# Allegro board SG2042_EVB_V1_1.brd (continued)
## Routing (per net, layer and track width the routed paths; a pad name or vN(x,y) marks a point on that pad's centre or on a via; arc(x,y) is an arc through that point) (continued)
DDR1_BG1: length 52.2
  TOP w0.16: J2.207 196.52,116.77 arc(196.21,116.71) 195.95,116.54 195.73,116.31 arc(195.47,116.14) 195.16,116.08 194.68,116.08 194.5,116.26 186.8,116.26 185.63,117.42 185.41,117.42 184.87,116.89 184.64,116.89 184.36,117.17 184.36,117.4 184.9,117.93 184.9,118.16 184.61,118.44 184.39,118.44 183.85,117.91 183.62,117.91 183.34,118.19 183.34,118.42 183.88,118.95 183.88,119.18 183.6,119.46 183.37,119.46 182.83,118.92 182.6,118.92 182.32,119.21 182.32,119.43 182.86,119.97 182.86,120.2 182.58,120.48 182.35,120.48 181.81,119.94 181.59,119.94 181.3,120.23 181.3,120.45 181.84,120.99 181.84,121.22 181.56,121.5 181.33,121.5 180.79,120.96 180.57,120.96 180.29,121.25 180.29,121.47 180.82,122.01 180.82,122.24 180.54,122.52 180.32,122.52 179.78,121.98 179.55,121.98 179.27,122.27 179.27,122.49 179.81,123.03 179.81,123.26 179.52,123.54 179.3,123.54 178.76,123 178.53,123 178.25,123.28 178.25,123.51 178.79,124.05 178.79,124.27 178.51,124.56 178.28,124.56 177.74,124.02 177.51,124.02 177.23,124.3 177.23,124.53 177.77,125.07 177.77,125.29 177.14,125.93 166.2,125.93 165.48,126.65 U1.H56
DDR1_CAL_0: length 3
  TOP w0.16: U1.U48 v1(157.97,118.15)
  BOTTOM w0.102: T16.1 158.71,118.89 R2383.1 158.47,118.65 v1(157.97,118.15)
DDR1_CID0: length 60.1
  TOP w0.16: U1.P50 v1(159.97,120.15)
  ART10 w0.089: v1(159.97,120.15) 160.57,119.55 164.36,119.55 165.23,120.42 166.91,120.42 167.98,121.49
  ART10 w0.168: 167.98,121.49 173.66,121.49 181.44,113.71 181.44,102.2 185.98,97.66 185.98,94.31 194.12,86.17 J2.93
DDR1_CID1: length 62.8
  TOP w0.16: U1.R51 v1(160.97,120.15)
  ART10 w0.089: 167.98,121.99 166.77,120.79 165.19,120.79 164.14,119.74 161.38,119.74 v1(160.97,120.15)
  ART10 w0.168: 167.98,121.99 173.87,121.99 181.94,113.92 181.94,102.41 186.49,97.87 186.49,94.9 194.36,87.02 194.99,87.02 arc(195.31,86.96) 195.58,86.78 195.94,86.42 arc(196.21,86.24) 196.53,86.17 J2.237
DDR1_CKE0: length 55.6
  TOP w0.16: U1.G56 166.33,127.65 166.77,127.21 179.13,127.21 179.4,126.94 179.4,126.71 178.93,126.25 178.93,126.02 179.22,125.74 179.44,125.74 180.47,126.77 180.7,126.77 180.98,126.48 180.98,126.26 179.95,125.23 179.95,125 180.23,124.72 180.46,124.72 181.49,125.75 181.72,125.75 182,125.46 182,125.24 180.97,124.21 180.97,123.98 181.25,123.7 181.48,123.7 182.51,124.73 182.73,124.73 183.02,124.44 183.02,124.22 181.99,123.19 181.99,122.96 182.27,122.68 182.5,122.68 183.53,123.71 183.75,123.71 184.04,123.43 184.04,123.2 183.01,122.17 183.01,121.95 183.29,121.66 183.52,121.66 184.54,122.69 184.77,122.69 185.05,122.41 185.05,122.18 184.03,121.15 184.03,120.93 184.31,120.64 184.53,120.64 185.56,121.67 185.79,121.67 186.07,121.39 186.07,121.16 185.04,120.13 185.04,119.91 185.33,119.63 185.55,119.63 186.58,120.65 186.81,120.65 187.3,120.16 193.53,120.16 194.37,119.32 J2.60
DDR1_CKE1: length 51.2
  TOP w0.16: U1.F54 v1(163.97,128.15)
  ART05 w0.168: v1(163.97,128.15) 175.31,128.15 184.14,119.32 185.09,119.32 185.26,119.49 185.26,120.33 185.43,120.5 185.85,120.5 186.01,120.33 186.01,119.49 186.18,119.32 186.6,119.32 186.77,119.49 186.77,120.33 186.94,120.5 187.35,120.5 187.52,120.33 187.52,119.49 187.69,119.32 188.11,119.32 188.28,119.49 188.28,120.33 188.44,120.5 188.86,120.5 189.03,120.33 189.03,119.49 189.2,119.32 189.62,119.32 189.79,119.49 189.79,120.33 189.95,120.5 190.37,120.5 190.54,120.33 190.54,119.49 190.71,119.32 191.13,119.32 191.29,119.49 191.29,120.33 191.46,120.5 191.88,120.5 192.05,120.33 192.05,119.49 192.22,119.32 192.64,119.32 192.8,119.49 192.8,120.33 192.97,120.5 193.39,120.5 193.56,120.33 193.56,119.49 193.73,119.32 194.99,119.32 arc(195.31,119.39) 195.58,119.57 195.94,119.93 arc(196.21,120.11) 196.54,120.17 J2.203
DDR1_CLK0_N: length 53.7
  TOP w0.14: U1.J52 v1(161.97,126.15)
  ART10 w0.109: 167.98,129.04 167.95,129.04 167.93,129.06 167.62,129.06 165.1,126.54 161.58,126.54 161.47,126.42 161.47,126.27 161.59,126.15 v1(161.97,126.15)
  ART10 w0.145: J2.75 195.5,106.86 arc(195.6,106.97) 195.59,107.12 195.58,107.13 arc(195.47,107.25) 195.32,107.29 194.35,107.29 193.53,108.12 193.53,110.01 192.91,110.63 192.91,112.91 192.04,113.78 192.04,114.2 192.32,114.48 192.32,114.68 191.91,115.09 191.71,115.09 191.43,114.82 191.01,114.82 190.44,115.38 190.44,115.8 190.72,116.08 190.72,116.29 190.31,116.7 190.1,116.7 189.83,116.42 189.4,116.42 188.84,116.98 188.84,117.41 189.12,117.68 189.12,117.89 188.71,118.3 188.5,118.3 188.22,118.02 187.8,118.02 187.24,118.59 187.24,119.01 187.51,119.29 187.51,119.49 187.1,119.9 186.9,119.9 186.62,119.63 186.2,119.63 176.78,129.04 167.98,129.04
DDR1_CLK0_P: length 53.7
  TOP w0.14: U1.J51 v1(160.97,126.15)
  ART10 w0.109: v1(160.97,126.15) 161.25,126.43 161.25,126.51 161.5,126.75 165.02,126.75 167.54,129.27 167.93,129.27 167.95,129.3 167.98,129.3
  ART10 w0.145: J2.74 195.67,107.55 arc(195.62,107.55) 195.57,107.55 194.46,107.55 193.79,108.23 193.79,110.12 193.17,110.74 193.17,113.02 192.31,113.89 192.31,114.09 192.59,114.37 192.59,114.79 192.02,115.36 191.6,115.36 191.32,115.08 191.12,115.08 190.71,115.49 190.71,115.69 190.98,115.97 190.98,116.4 190.42,116.96 190,116.96 189.72,116.68 189.51,116.68 189.1,117.09 189.1,117.3 189.38,117.58 189.38,118 188.82,118.56 188.39,118.56 188.11,118.29 187.91,118.29 187.5,118.7 187.5,118.9 187.78,119.18 187.78,119.6 187.21,120.17 186.79,120.17 186.51,119.89 186.31,119.89 176.89,129.3 167.98,129.3
DDR1_CLK1_N: length 54.7
  TOP w0.14: U1.K51 v1(160.97,125.15)
  ART10 w0.109: 167.98,127.9 167.95,127.9 167.93,127.93 167.62,127.93 165.24,125.54 160.58,125.54 160.47,125.43 160.47,125.26 160.58,125.15 v1(160.97,125.15)
  ART10 w0.145: J2.219 199.31,106.86 arc(199.4,106.97) 199.39,107.1 199.36,107.16 arc(199.27,107.26) 199.14,107.29 198.44,107.29 arc(198.17,107.23) 197.93,107.08 197.58,106.73 arc(197.26,106.51) 196.88,106.44 196.54,106.44 arc(196.27,106.38) 196.03,106.23 195.68,105.88 arc(195.36,105.66) 194.98,105.59 194.35,105.59 192.39,107.55 192.39,109.54 191.78,110.16 191.78,112.44 176.32,127.9 167.98,127.9
DDR1_CLK1_P: length 54.7
  TOP w0.14: U1.K50 v1(159.97,125.15)
  ART10 w0.109: 167.98,128.17 167.95,128.17 167.93,128.14 167.54,128.14 165.15,125.75 160.5,125.75 160.26,125.52 160.26,125.44 v1(159.97,125.15)
  ART10 w0.145: J2.218 199.47,107.55 arc(199.42,107.55) 199.37,107.55 198.44,107.55 arc(198.06,107.48) 197.74,107.26 197.4,106.92 arc(197.16,106.76) 196.88,106.7 196.54,106.7 arc(196.16,106.63) 195.84,106.41 195.49,106.07 arc(195.26,105.91) 194.98,105.85 194.46,105.85 192.66,107.66 192.66,109.65 192.04,110.27 192.04,112.55 176.42,128.17 167.98,128.17
DDR1_CS_N0: length 55.3
  TOP w0.16: U1.N53 v1(162.97,122.15)
  ART10 w0.089: 167.98,124.51 166.49,123.02 164.83,123.02 164.33,122.52 163.35,122.52 v1(162.97,122.15)
  ART10 w0.168: J2.84 196.56,93.82 arc(196.39,93.71) 196.19,93.67 194.68,93.67 194.59,93.57 193.73,93.57 189,98.3 189,108.13 188.38,108.75 188.38,111.03 174.91,124.51 167.98,124.51
DDR1_CS_N1: length 55.4
  TOP w0.16: U1.P53 v1(162.97,121.15)
  ART10 w0.089: v1(162.97,121.15) 163.35,120.77 164.18,120.77 164.93,121.52 166.5,121.52 167.98,123
  ART10 w0.168: J2.89 194.38,89.57 187.49,96.46 187.49,107.51 186.87,108.13 186.87,110.41 174.28,123 167.98,123
DDR1_DM0_N: length 63
  TOP w0.109: 153.81,135.15 153.81,135.12 153.87,135.06 153.87,133.05 154.1,132.82 154.3,132.82 U1.B45
  TOP w0.14: 153.81,135.15 153.81,138.42 159.47,144.09 164.63,144.09 185.25,164.72 186.6,164.72 186.93,164.38 186.93,163.64 187.07,163.5 187.63,163.5 187.77,163.64 187.77,164.38 188.11,164.72 193.25,164.72 193.93,165.39 194.98,165.39 arc(195.37,165.31) 195.71,165.08 196.11,164.68 arc(196.24,164.52) 196.32,164.33 J2.8
DDR1_DM0_P: length 63
  TOP w0.109: U1.A45 154.47,133.14 154.37,133.03 154.19,133.03 154.08,133.14 154.08,134.06 arc(154.12,134.17) 154.23,134.22 arc(154.34,134.26) 154.39,134.37 154.39,134.5 arc(154.34,134.61) 154.23,134.66 arc(154.12,134.7) 154.08,134.81 154.08,135.06 154.14,135.12 154.14,135.15
  TOP w0.14: 154.14,135.15 154.14,138.29 159.61,143.76 164.76,143.76 185.39,164.38 186.46,164.38 186.6,164.25 186.6,163.5 186.94,163.17 187.77,163.17 188.1,163.5 188.1,164.25 188.24,164.38 193.39,164.38 194.06,165.06 194.98,165.06 arc(195.25,165) 195.47,164.85 195.78,164.55 195.88,164.45 arc(195.89,164.43) 195.91,164.41 arc(195.97,164.25) 195.94,164.07 arc(195.82,163.98) 195.67,163.99 J2.7
DDR1_DM1_N: length 53.2
  TOP w0.109: U1.A50 159.47,133.2 159.36,133.09 159.19,133.09 159.08,133.2 159.08,133.96 159.45,134.33 159.45,134.59 arc(159.5,134.73) 159.65,134.79 arc(159.79,134.85) 159.85,134.99 159.85,135.03 arc(159.79,135.17) 159.65,135.23 159.59,135.23 arc(159.49,135.27) 159.45,135.37 159.45,135.63 159.99,136.18 160.08,136.18 160.1,136.2
  TOP w0.14: 160.1,136.2 162.04,138.14 178.11,138.14 191.27,151.29 191.27,152.23 191.54,152.5 192,152.5 192.61,153.11 192.61,153.58 191.49,154.69 191.49,154.89 191.89,155.29 192.08,155.29 193.2,154.17 193.67,154.17 194.36,154.86 195.42,154.86 arc(195.51,154.83) 195.58,154.76 195.59,154.75 arc(195.6,154.58) 195.5,154.46 J2.19
DDR1_DM1_P: length 53.1
  TOP w0.109: 159.86,136.43 159.86,136.34 159.24,135.72 159.24,134.42 158.87,134.05 158.87,133.12 159.1,132.88 159.24,132.88 U1.B50
  TOP w0.14: 159.86,136.43 161.9,138.47 177.97,138.47 190.94,151.43 190.94,152.37 191.4,152.83 191.86,152.83 192.28,153.24 192.28,153.44 191.16,154.56 191.16,155.03 191.75,155.62 192.22,155.62 193.34,154.5 193.53,154.5 194.22,155.19 195.41,155.19 arc(195.42,155.19) 195.43,155.19 195.57,155.19 arc(195.64,155.18) 195.7,155.18 J2.18
DDR1_DM2_N: length 62.8
  TOP w0.14: U1.G44 v1(152.97,128.15)
  ART10 w0.109: 152.83,135.15 152.83,135.12 152.86,135.09 152.86,133.26 153.37,132.75 153.37,127.87 153.26,127.76 153.09,127.76 152.97,127.87 v1(152.97,128.15)
  ART10 w0.145: 152.83,135.15 152.83,137.59 160,144.76 175.91,144.76 177.19,143.48 179.86,143.48 180.38,144 180.38,144.21 179.86,144.73 179.86,145.15 180.42,145.72 180.85,145.72 181.37,145.2 181.57,145.2 182.32,145.94 192.23,145.94 192.94,146.65 194.99,146.65 arc(195.37,146.57) 195.69,146.36 196.1,145.95 arc(196.2,145.82) 196.27,145.67 J2.30
DDR1_DM2_P: length 62.7
  TOP w0.14: U1.H44 v1(152.97,127.15)
  ART10 w0.109: 153.1,135.15 153.1,135.12 153.07,135.09 153.07,133.35 153.58,132.84 153.58,127.79 153.34,127.55 153.09,127.55 152.97,127.44 v1(152.97,127.15)
  ART10 w0.145: 153.1,135.15 153.1,137.48 160.11,144.5 175.8,144.5 177.08,143.22 179.97,143.22 180.64,143.89 180.64,144.32 180.12,144.84 180.12,145.04 180.53,145.45 180.74,145.45 181.26,144.93 181.68,144.93 182.43,145.68 192.34,145.68 193.05,146.39 194.99,146.39 arc(195.26,146.33) 195.5,146.17 195.9,145.77 arc(195.97,145.63) 195.95,145.48 arc(195.78,145.33) 195.56,145.36 J2.29
DDR1_DM3_N: length 49.3
  TOP w0.14: U1.H49 v1(158.97,127.15)
  ART10 w0.109: v1(158.97,127.15) 158.97,127.47 159.08,127.58 159.32,127.58 159.58,127.83 159.58,133.48 160.9,134.81 160.94,134.81 160.96,134.83
  ART10 w0.145: 160.96,134.83 161.9,135.77 189.12,135.77 189.42,136.07 189.42,136.82 189.57,136.96 190.15,136.96 190.29,136.82 190.29,136.07 190.59,135.77 191.39,135.77 191.69,136.07 191.69,136.82 191.83,136.96 192.41,136.96 192.56,136.82 192.56,136.07 192.86,135.77 193.65,135.77 194.08,136.19 195.35,136.19 arc(195.48,136.15) 195.58,136.05 195.58,136.05 arc(195.6,135.88) 195.49,135.75 J2.41
DDR1_DM3_P: length 49.3
  TOP w0.14: U1.G49 v1(158.97,128.15)
  ART10 w0.109: v1(158.97,128.15) 158.97,127.9 159.08,127.79 159.24,127.79 159.37,127.92 159.37,133.57 160.77,134.97 160.77,135.01
  ART10 w0.145: 160.77,135.01 161.79,136.03 189.01,136.03 189.16,136.18 189.16,136.93 189.46,137.23 190.26,137.23 190.56,136.93 190.56,136.18 190.7,136.03 191.28,136.03 191.42,136.18 191.42,136.93 191.72,137.23 192.52,137.23 192.82,136.93 192.82,136.18 192.97,136.03 193.55,136.03 193.97,136.45 195.57,136.45 arc(195.62,136.45) 195.67,136.45 J2.40
DDR1_DM4_N: length 60.4
  TOP w0.109: 166.97,117.31 166.95,117.31 166.89,117.25 163.01,117.25 162.9,117.37 162.9,117.54 163.01,117.65 U1.U54
  TOP w0.14: J2.100 196.31,81.06 arc(196.24,81.22) 196.14,81.36 195.7,81.79 arc(195.37,82.01) 194.97,82.09 192.14,82.09 191.61,82.62 191.61,82.82 191.94,83.15 191.94,83.62 191.35,84.21 190.88,84.21 190.55,83.88 190.35,83.88 189.96,84.27 189.96,84.47 190.28,84.8 190.28,85.27 189.7,85.86 189.22,85.86 188.9,85.53 188.7,85.53 176.69,97.54 176.69,110.44 169.82,117.31 166.97,117.31
DDR1_DM4_P: length 60.3
  TOP w0.109: 166.97,116.98 166.95,116.98 166.89,117.04 162.92,117.04 162.69,117.28 162.69,117.43 U1.U53
  TOP w0.14: J2.99 195.65,80.7 arc(195.82,80.69) 195.94,80.79 195.95,80.8 arc(195.98,80.97) 195.9,81.12 195.47,81.56 arc(195.24,81.71) 194.97,81.76 192,81.76 191.28,82.48 191.28,82.95 191.61,83.28 191.61,83.48 191.21,83.88 191.01,83.88 190.69,83.55 190.21,83.55 189.63,84.14 189.63,84.61 189.95,84.94 189.95,85.13 189.56,85.53 189.36,85.53 189.03,85.2 188.56,85.2 176.36,97.4 176.36,110.3 169.68,116.98 166.97,116.98
DDR1_DM5_N: length 63.3
  TOP w0.109: 168.16,110.58 168.14,110.6 168.14,110.68 166.78,112.04 162.94,112.04 162.71,112.27 162.71,112.41 U1.AB53
  TOP w0.14: 168.16,110.58 170.62,108.12 170.62,88.93 187.99,71.56 189.05,71.56 189.53,71.07 190.27,71.07 190.75,71.56 191.21,71.56 191.7,71.07 192.43,71.07 192.92,71.56 195.43,71.56 arc(195.51,71.53) 195.57,71.47 195.59,71.44 arc(195.6,71.28) 195.5,71.16 J2.111
DDR1_DM5_P: length 63.2
  TOP w0.109: 168.39,110.81 168.37,110.83 168.29,110.83 166.87,112.25 163.03,112.25 162.92,112.36 162.92,112.54 163.03,112.65 U1.AB54
  TOP w0.14: J2.110 195.7,71.88 arc(195.64,71.88) 195.57,71.89 195.44,71.89 arc(195.44,71.89) 195.43,71.89 192.79,71.89 192.3,71.4 191.84,71.4 191.35,71.89 190.62,71.89 190.13,71.4 189.67,71.4 189.18,71.89 188.13,71.89 170.95,89.07 170.95,108.25 168.39,110.81
DDR1_DM6_N: length 86.1
  TOP w0.14: U1.V51 v1(160.97,116.15)
  ART10 w0.109: 167.98,117.9 167.95,117.9 167.93,117.87 165.63,117.87 164.51,116.75 161.53,116.75 161.29,116.51 161.29,116.46 v1(160.97,116.15)
  ART10 w0.145: 167.98,117.9 171.76,117.9 177.84,111.82 177.84,96.43 178.26,96.02 178.26,77.95 178.74,77.46 178.95,77.46 179.33,77.85 179.76,77.85 180.32,77.28 180.32,76.86 179.94,76.47 179.94,76.27 180.35,75.86 180.55,75.86 180.94,76.24 181.36,76.24 181.92,75.68 181.92,75.25 181.54,74.87 181.54,74.66 181.95,74.25 182.15,74.25 182.54,74.64 182.96,74.64 183.53,74.07 183.53,73.65 183.14,73.27 183.14,73.06 183.55,72.65 183.76,72.65 184.14,73.04 184.57,73.04 185.13,72.47 185.13,72.05 184.75,71.66 184.75,71.46 192.85,63.35 194.99,63.35 arc(195.37,63.27) 195.69,63.06 196.1,62.65 arc(196.2,62.52) 196.27,62.37 J2.122
DDR1_DM6_P: length 86
  TOP w0.14: U1.V52 v1(161.97,116.15)
  ART10 w0.109: v1(161.97,116.15) 161.61,116.15 161.5,116.26 161.5,116.43 161.62,116.54 164.6,116.54 165.72,117.66 167.93,117.66 167.95,117.63 167.98,117.63
  ART10 w0.145: 167.98,117.63 171.65,117.63 177.58,111.71 177.58,96.32 177.99,95.91 177.99,77.84 178.63,77.2 179.06,77.2 179.44,77.58 179.65,77.58 180.06,77.17 180.06,76.97 179.67,76.58 179.67,76.16 180.24,75.59 180.66,75.59 181.05,75.98 181.25,75.98 181.66,75.57 181.66,75.36 181.28,74.98 181.28,74.55 181.84,73.99 182.26,73.99 182.65,74.37 182.85,74.37 183.26,73.96 183.26,73.76 182.88,73.38 182.88,72.95 183.44,72.39 183.87,72.39 184.25,72.77 184.46,72.77 184.87,72.36 184.87,72.16 184.48,71.77 184.48,71.35 192.75,63.09 194.99,63.09 arc(195.26,63.03) 195.5,62.87 195.9,62.47 arc(195.97,62.33) 195.95,62.18 arc(195.78,62.03) 195.56,62.06 J2.121
DDR1_DM7_N: length 94.3
  TOP w0.14: U1.AC52 v1(161.97,111.15)
  ART10 w0.109: v1(161.97,111.15) 161.61,111.15 161.5,111.26 161.5,111.42 161.64,111.55 165.01,111.55 165.51,111.04 166.12,111.04 166.93,110.23 167.93,110.23 167.95,110.2 167.98,110.2
  ART10 w0.145: J2.133 195.49,52.45 arc(195.6,52.58) 195.58,52.75 195.58,52.75 arc(195.48,52.85) 195.35,52.89 194.06,52.89 193.35,52.18 191.67,52.18 191.37,52.48 191.37,53.3 191.24,53.43 190.64,53.43 190.5,53.3 190.5,52.48 190.2,52.18 189.41,52.18 189.11,52.48 189.11,53.62 188.96,53.76 188.38,53.76 188.24,53.62 188.24,52.48 187.94,52.18 187.14,52.18 186.84,52.48 186.84,53.62 186.7,53.76 186.12,53.76 185.97,53.62 185.97,52.48 185.67,52.18 184.87,52.18 184.57,52.48 184.57,53.62 184.43,53.76 182.41,53.76 170.56,65.61 170.56,92.83 170.15,93.24 170.15,108.63 168.57,110.2 167.98,110.2
DDR1_DM7_P: length 94.4
  TOP w0.14: U1.AC51 v1(160.97,111.15)
  ART10 w0.109: 167.98,110.47 167.95,110.47 167.93,110.44 167.02,110.44 166.21,111.25 165.6,111.25 165.09,111.76 161.55,111.76 161.29,111.51 161.29,111.51 161.29,111.47 v1(160.97,111.15)
  ART10 w0.145: 167.98,110.47 168.68,110.47 170.41,108.74 170.41,93.35 170.82,92.94 170.82,65.72 182.52,54.03 184.54,54.03 184.84,53.73 184.84,52.59 184.98,52.44 185.56,52.44 185.71,52.59 185.71,53.73 186.01,54.03 186.81,54.03 187.1,53.73 187.1,52.59 187.25,52.44 187.83,52.44 187.97,52.59 187.97,53.73 188.27,54.03 189.07,54.03 189.37,53.73 189.37,52.59 189.52,52.44 190.09,52.44 190.24,52.59 190.24,53.41 190.53,53.7 191.35,53.7 191.64,53.41 191.64,52.59 191.78,52.44 193.24,52.44 193.95,53.15 195.57,53.15 arc(195.62,53.15) 195.67,53.15 J2.132
DDR1_DQ0: length 64.7
  TOP w0.114: 186.56,165.59 186.1,166.04 185.61,166.04 164.34,144.77 159.19,144.77 153.12,138.71 153.12,134.4 153.09,134.37 153.09,133.49 153.47,133.1 U1.B44
  TOP w0.16: J2.5 194.96,166.07 194.77,166.26 193.07,166.26 192.91,166.1 192.91,165.75 192.75,165.59 192.35,165.59 192.19,165.75 192.19,166.36 192.03,166.52 191.63,166.52 191.47,166.36 191.47,165.75 191.31,165.59 190.91,165.59 190.75,165.75 190.75,166.36 190.59,166.52 190.19,166.52 190.03,166.36 190.03,165.75 189.87,165.59 189.47,165.59 189.31,165.75 189.31,166.36 189.15,166.52 188.75,166.52 188.59,166.36 188.59,165.75 188.43,165.59 186.56,165.59
DDR1_DQ1: length 68.7
  TOP w0.089: U1.D44 153.08,131.04 153.08,133.05 152.87,133.26 152.87,134.3 152.75,134.42 152.75,138.86 159.03,145.14 164.19,145.14 185.46,166.41 186.46,166.41 186.56,166.31
  TOP w0.16: 186.56,166.31 187.16,166.31 188.11,167.26 194.23,167.26 194.51,166.98 194.95,166.98 arc(195.26,166.92) 195.52,166.74 195.95,166.31 arc(196.21,166.13) 196.52,166.07 196.91,166.07 arc(197.21,166.01) 197.47,165.84 197.85,165.46 arc(198.11,165.28) 198.42,165.22 J2.150
DDR1_DQ2: length 62.6
  TOP w0.114: 172.14,145.39 171.45,145.39 167.01,140.95 160.77,140.95 156.94,137.12 156.94,134.92 156.47,134.45 U1.A47
  TOP w0.16: J2.12 196.56,160.12 arc(196.39,160) 196.18,159.96 194.68,159.96 194.48,159.76 190.12,159.76 187.41,157.06 186.94,157.06 186.78,156.9 186.78,156.4 186.62,156.24 186.22,156.24 186.06,156.4 186.06,156.9 185.9,157.06 185.5,157.06 185.34,156.9 185.34,156.4 185.18,156.24 184.78,156.24 184.62,156.4 184.62,156.9 184.46,157.06 183.8,157.06 179.94,153.19 179.94,152.96 180.86,152.03 180.86,151.81 180.58,151.52 180.36,151.52 179.43,152.45 179.2,152.45 178.92,152.17 178.92,151.92 179.64,151.19 179.64,150.99 178.47,149.82 178.47,149.59 179.31,148.75 179.31,148.53 179.03,148.24 178.8,148.24 177.96,149.08 177.73,149.08 174.04,145.39 172.14,145.39
DDR1_DQ3: length 65
  TOP w0.089: U1.D47 156.87,131.04 156.87,132.87 156.59,133.15 156.3,133.15 156.08,133.37 156.08,134.44 156.58,134.94 156.58,137.28 160.62,141.32 166.86,141.32 171.41,145.87 171.6,145.87 171.63,145.9
  TOP w0.16: 171.63,145.9 171.84,146.11 173.36,146.11 176.37,149.12 176.37,149.35 175.84,149.88 175.84,150.11 176.12,150.39 176.35,150.39 176.88,149.85 177.11,149.85 177.39,150.14 177.39,150.36 176.86,150.9 176.86,151.13 177.14,151.41 177.37,151.41 177.9,150.87 178.13,150.87 178.41,151.16 178.41,151.38 177.87,151.92 177.87,152.15 183.5,157.78 187.11,157.78 189.82,160.48 194.48,160.48 194.68,160.28 195.33,160.28 arc(195.64,160.34) 195.9,160.52 195.96,160.58 arc(196.22,160.75) 196.52,160.81 196.89,160.81 arc(197.2,160.75) 197.46,160.58 J2.157
DDR1_DQ4: length 65.8
  TOP w0.089: 186.56,167.03 186.3,166.77 185.31,166.77 164.04,145.5 158.89,145.5 152.4,139.01 152.4,134.54 152.08,134.22 152.08,133.42 152.35,133.15 152.58,133.15 152.87,132.86 152.87,132.04 U1.C43
  TOP w0.16: 186.56,167.03 186.86,167.03 187.82,167.98 189,167.98 189.16,168.14 189.16,168.52 189.32,168.68 189.72,168.68 189.88,168.52 189.88,168.14 190.04,167.98 190.44,167.98 190.6,168.14 190.6,168.52 190.76,168.68 191.16,168.68 191.32,168.52 191.32,168.14 191.48,167.98 191.88,167.98 192.04,168.14 192.04,168.52 192.2,168.68 192.6,168.68 192.76,168.52 192.76,168.14 192.92,167.98 194.45,167.98 arc(194.73,167.93) J2.3
DDR1_DQ5: length 68.6
  TOP w0.114: U1.B43 151.86,133.26 151.86,134.54 152.03,134.71 152.03,139.16 158.73,145.87 163.89,145.87 185.16,167.14 185.95,167.14 186.56,167.75
  TOP w0.16: 186.56,167.75 188.22,169.4 192.9,169.4 193.6,168.7 194.92,168.7 arc(195.23,168.64) 195.49,168.47 195.95,168.01 arc(196.21,167.83) 196.52,167.77 196.91,167.77 arc(197.21,167.71) 197.47,167.54 197.85,167.16 arc(198.11,166.98) 198.42,166.92 J2.148
DDR1_DQ6: length 62.8
  TOP w0.114: U1.A46 155.47,134.57 155.85,134.95 155.85,137.58 160.32,142.04 166.56,142.04 170.61,146.09 170.61,146.92
  TOP w0.16: 170.61,146.92 182.92,159.23 183.41,159.23 183.55,159.37 183.55,159.83 183.71,159.99 184.11,159.99 184.27,159.83 184.27,159.39 184.43,159.23 184.83,159.23 184.99,159.39 184.99,161.11 185.15,161.27 185.55,161.27 185.71,161.11 185.71,159.39 185.87,159.23 186.27,159.23 186.43,159.39 186.43,161.11 186.59,161.27 186.99,161.27 187.15,161.11 187.15,160.59 187.31,160.43 187.71,160.43 187.87,160.59 187.87,161.11 188.03,161.27 188.57,161.27 189.48,162.18 194.48,162.18 194.68,161.98 196.18,161.98 arc(196.39,161.94) J2.10
DDR1_DQ7: length 63.1
  TOP w0.089: 171.12,146.41 171.12,146.08 166.71,141.67 160.47,141.67 156.22,137.42 156.22,134.94 155.87,134.58 155.87,133.25 U1.B47
  TOP w0.16: J2.155 198.6,161.13 196.36,161.13 arc(196.05,161.19) 195.79,161.37 195.73,161.43 arc(195.47,161.6) 195.17,161.66 194.68,161.66 194.48,161.46 189.78,161.46 186.82,158.5 183.21,158.5 174.71,150 174.71,149.78 175.24,149.25 175.24,149.03 174.96,148.74 174.73,148.74 174.2,149.27 173.98,149.27 173.69,148.99 173.69,148.76 174.22,148.23 174.22,148.01 173.94,147.72 173.71,147.72 173.19,148.25 172.96,148.25 172.68,147.97 172.68,147.74 173.09,147.33 173.09,147.1 172.81,146.83 172.57,146.83 172.17,147.23 171.94,147.23 171.12,146.41
DDR1_DQ8: length 56.4
  TOP w0.089: U1.D49 157.97,131.15 157.97,132.86 157.87,132.96 157.87,134.37 158.46,134.96 158.46,136.64 161.36,139.54 177.46,139.54 189.34,151.43 189.34,153.25 189.52,153.43
  TOP w0.16: J2.16 196.54,156.75 arc(196.39,156.85) 196.21,156.88 194.68,156.88 194.28,157.28 193.84,157.28 193.53,156.97 193.12,156.97 192.81,157.28 191.06,157.28 189.1,155.32 189.1,154.89 189.52,154.47 189.52,153.43
DDR1_DQ9: length 55.2
  TOP w0.114: 190.24,153.43 189.71,152.9 189.71,151.28 177.61,139.17 161.51,139.17 158.83,136.49 158.83,134.98 158.09,134.24 158.09,133.03 U1.B49
  TOP w0.16: 190.24,153.43 190.24,155.45 191.36,156.56 192.51,156.56 192.82,156.25 194.28,156.25 194.59,156.56 195.17,156.56 arc(195.47,156.5) 195.73,156.33 195.95,156.11 arc(196.21,155.93) 196.52,155.87 J2.161
DDR1_DQ10: length 55.3
  TOP w0.114: 185.79,140.07 185.74,140.03 185.01,140.03 180.28,135.29 163.56,135.29 161.97,133.71 161.97,131.15 U1.D52
  TOP w0.16: 185.79,140.07 186,140.28 186.23,140.28 186.96,139.56 187.78,139.56 188.61,140.4 188.84,140.4 189.42,139.81 189.65,139.81 189.93,140.1 189.93,140.32 189.35,140.91 189.35,141.13 189.63,141.42 189.86,141.42 190.44,140.83 190.67,140.83 190.95,141.12 190.95,141.34 190.37,141.93 190.37,142.15 190.65,142.44 190.88,142.44 191.46,141.85 191.69,141.85 191.97,142.13 191.97,142.36 191.39,142.94 191.39,143.17 191.67,143.45 191.89,143.45 192.48,142.87 192.7,142.87 192.99,143.15 192.99,143.38 192.4,143.96 192.4,144.19 193.16,144.95 193.16,145.83 193.85,146.52 194.93,146.52 arc(195.24,146.58) 195.5,146.76 195.53,146.79 arc(195.7,147.05) 195.76,147.35 195.76,149.64 arc(195.7,149.95) 195.53,150.21 J2.23
DDR1_DQ11: length 52.7
  TOP w0.089: U1.A52 161.47,133.73 163.41,135.66 180.12,135.66 185.04,140.58 185.28,140.58
  TOP w0.16: 185.28,140.58 185.95,141.25 186.29,141.25 187.25,140.28 187.48,140.28 187.76,140.57 187.76,140.79 186.88,141.67 186.88,141.9 187.17,142.18 187.39,142.18 188.27,141.3 188.5,141.3 192.44,145.24 192.44,146.13 193.65,147.34 193.65,149.09 194.23,149.68 194.23,151.03 194.67,151.46 195.14,151.46 arc(195.45,151.4) 195.71,151.23 195.93,151.01 arc(196.19,150.83) 196.49,150.77 196.91,150.77 arc(197.21,150.71) 197.47,150.54 197.85,150.16 arc(198.11,149.98) 198.42,149.92 J2.168
DDR1_DQ12: length 55.5
  TOP w0.089: 188.8,153.43 188.99,153.24 188.99,151.58 177.31,139.9 161.21,139.9 158.1,136.79 158.1,134.99 157.56,134.45 157.32,134.45 157.08,134.21 157.08,133.37 157.47,132.98 U1.B48
  TOP w0.16: 188.8,153.43 188.8,154.17 188.38,154.59 188.38,155.62 190.82,158.06 194.48,158.06 194.68,158.26 196.18,158.26 arc(196.39,158.3) 196.56,158.42 J2.14
DDR1_DQ13: length 60.9
  TOP w0.114: 188.08,153.43 188.62,152.89 188.62,151.73 177.16,140.27 161.06,140.27 157.73,136.94 157.73,135 157.4,134.67 157.23,134.67 156.86,134.3 156.86,133.24 157.09,133 157.09,132.03 U1.C48
  TOP w0.16: J2.159 197.3,159.04 arc(197.04,159.21) 196.73,159.27 196.52,159.27 arc(196.21,159.21) 195.95,159.04 195.73,158.82 arc(195.47,158.64) 195.17,158.58 194.68,158.58 194.48,158.78 190.53,158.78 187.66,155.92 187.66,154.29 188.08,153.87 188.08,153.43
DDR1_DQ14: length 52.5
  TOP w0.114: 184.26,141.6 184.26,140.82 179.82,136.39 163.11,136.39 160.47,133.75 U1.A51
  TOP w0.16: 184.26,141.6 186.87,144.21 187.1,144.21 187.68,143.63 187.9,143.63 188.19,143.91 188.19,144.14 187.61,144.72 187.61,144.95 187.89,145.23 188.11,145.23 188.7,144.65 188.92,144.65 189.2,144.93 189.2,145.16 188.62,145.74 188.62,145.97 188.91,146.25 189.13,146.25 189.71,145.67 189.94,145.67 190.22,145.95 190.22,146.18 189.64,146.76 189.64,146.98 189.93,147.27 190.15,147.27 190.73,146.69 190.96,146.69 191.24,146.97 191.24,147.2 190.66,147.78 190.66,148 190.94,148.29 191.17,148.29 191.71,147.74 191.94,147.74 192.21,148.01 192.21,148.27 191.68,148.79 191.68,149.02 193.17,150.51 193.17,150.98 194.66,152.47 J2.21
DDR1_DQ15: length 53
  TOP w0.089: U1.B52 160.97,133.15 160.97,133.73 163.26,136.02 179.98,136.02 184.76,140.8 184.76,141.08 184.77,141.09
  TOP w0.16: 184.77,141.09 186.59,142.91 188.2,142.91 188.73,143.44 188.96,143.44 189.17,143.22 189.4,143.22 189.68,143.51 189.68,143.73 189.47,143.95 189.47,144.18 189.75,144.46 189.97,144.46 190.19,144.24 190.42,144.24 190.7,144.52 190.7,144.75 190.48,144.97 190.48,145.19 190.77,145.48 190.99,145.48 191.21,145.26 191.44,145.26 191.72,145.54 191.72,145.77 191.5,145.99 191.5,146.21 192.93,147.64 192.93,149.25 193.7,150.02 193.7,150.98 194.5,151.78 195.14,151.78 arc(195.45,151.84) 195.71,152.02 195.93,152.24 arc(196.19,152.41) 196.5,152.47 196.91,152.47 arc(197.21,152.41) 197.47,152.24 197.85,151.86 arc(198.11,151.68) 198.42,151.62 J2.166
DDR1_DQ16: length 61.7
  TOP w0.16: U1.E44 v1(152.97,130.15)
  ART10 w0.089: 152,135.15 152,134.83 152.07,134.77 152.07,133.34 152.57,132.84 152.57,130.55 v1(152.97,130.15)
  ART10 w0.168: 152,135.15 152,137.93 159.66,145.59 174.39,145.59 177.06,148.26 178.95,148.26 180.25,146.96 185.96,146.96 186.12,147.13 186.12,147.58 186.29,147.75 186.71,147.75 186.88,147.58 186.88,147.13 187.05,146.96 187.47,146.96 187.63,147.13 187.63,147.58 187.8,147.75 188.22,147.75 188.39,147.58 188.39,147.13 188.56,146.96 188.97,146.96 189.14,147.13 189.14,147.58 189.31,147.75 189.73,147.75 189.9,147.58 189.9,147.13 190.06,146.96 190.48,146.96 190.65,147.13 190.65,147.58 190.82,147.75 191.24,147.75 191.41,147.58 191.41,147.13 191.57,146.96 192.08,146.96 192.74,147.62 194.35,147.62 arc(194.38,147.62) 194.41,147.62 arc(194.71,147.55) J2.27
DDR1_DQ17: length 73.7
  TOP w0.16: U1.H43 v1(151.97,127.15)
  ART10 w0.089: 150.24,135.15 150.24,135.14 150.88,134.51 150.88,133.26 151.38,132.76 151.38,127.74 v1(151.97,127.15)
  ART10 w0.168: J2.172 201.57,147.73 arc(201.7,147.93) 201.75,148.17 201.75,148.2 arc(201.7,148.44) 201.57,148.65 201.39,148.83 arc(201.12,149.01) 200.8,149.07 200.34,149.07 arc(200.01,149.14) 199.74,149.32 199.38,149.68 arc(199.11,149.86) 198.79,149.92 198.43,149.92 arc(198.11,149.86) 197.84,149.68 197.48,149.32 arc(197.21,149.14) 196.89,149.07 196.53,149.07 arc(196.21,149.14) 195.94,149.32 195.57,149.69 arc(195.29,149.87) 194.97,149.94 183.36,149.94 182.14,151.16 177.47,151.16 173.66,147.35 158.93,147.35 150.24,138.66 150.24,135.15
DDR1_DQ18: length 60.1
  TOP w0.16: U1.E47 v1(155.97,130.15)
  ART10 w0.089: 156.08,135.15 156.38,134.85 156.38,130.55 v1(155.97,130.15)
  ART10 w0.168: 156.08,135.15 156.08,136.24 161.35,141.51 168.22,141.51 168.39,141.34 168.39,140.4 168.56,140.23 168.98,140.23 169.14,140.4 169.14,141.34 169.31,141.51 169.73,141.51 169.9,141.34 169.9,140.4 170.07,140.23 170.48,140.23 170.65,140.4 170.65,141.34 170.82,141.51 171.24,141.51 171.41,141.34 171.41,140.4 171.57,140.23 171.99,140.23 172.16,140.4 172.16,141.34 172.33,141.51 172.75,141.51 172.92,141.34 172.92,140.4 173.08,140.23 173.5,140.23 173.67,140.4 173.67,141.34 173.84,141.51 174.26,141.51 174.42,141.34 174.42,140.4 174.59,140.23 181.21,140.23 182.45,141.47 194.05,141.47 194.16,141.58 196.19,141.58 arc(196.39,141.54) J2.34
DDR1_DQ19: length 61.1
  TOP w0.16: U1.G47 v1(155.97,128.15)
  ART10 w0.089: v1(155.97,128.15) 156.57,128.74 156.57,135.04 156.67,135.15
  ART10 w0.168: 156.67,135.15 156.67,136 161.52,140.84 163.01,140.84 163.17,140.68 163.17,139.81 163.34,139.64 163.76,139.64 163.93,139.81 163.93,140.68 164.1,140.84 164.52,140.84 164.68,140.68 164.68,139.81 164.85,139.64 165.27,139.64 165.44,139.81 165.44,140.68 165.61,140.84 166.02,140.84 166.19,140.68 166.19,139.81 166.36,139.64 166.78,139.64 166.95,139.81 166.95,140.68 167.11,140.84 167.53,140.84 167.7,140.68 167.7,139.81 167.87,139.64 181.45,139.64 181.72,139.92 182.21,139.92 182.42,140.13 182.42,140.61 182.69,140.88 194.29,140.88 194.68,141.26 195.15,141.26 arc(195.47,141.2) 195.74,141.02 195.94,140.82 arc(196.21,140.64) 196.54,140.57 J2.179
DDR1_DQ20: length 62.6
  TOP w0.16: U1.F43 v1(151.97,129.15)
  ART10 w0.089: v1(151.97,129.15) 151.57,129.55 151.57,132.84 151.07,133.34 151.07,134.59 150.83,134.83 150.83,135.15
  ART10 w0.168: 150.83,135.15 150.83,138.42 159.18,146.76 173.91,146.76 177.71,150.57 181.9,150.57 182.94,149.53 182.94,148.78 183.11,148.62 183.53,148.62 183.7,148.78 183.7,149.18 183.87,149.35 184.28,149.35 184.45,149.18 184.45,148.78 184.62,148.62 185.04,148.62 185.21,148.78 185.21,149.18 185.37,149.35 194.29,149.35 arc(194.65,149.28) J2.25
DDR1_DQ21: length 64.2
  TOP w0.16: U1.E43 v1(151.97,130.15)
  ART10 w0.089: v1(151.97,130.15) 152.38,130.55 152.38,132.76 151.88,133.26 151.88,134.69 151.42,135.15
  ART10 w0.168: 151.42,135.15 151.42,138.17 159.42,146.17 174.15,146.17 176.82,148.84 179.2,148.84 180.39,147.65 185.29,147.65 186.13,148.49 194.39,148.49 194.66,148.22 195.01,148.22 arc(195.31,148.16) 195.57,147.99 195.94,147.62 arc(196.21,147.44) 196.54,147.37 196.89,147.37 arc(197.21,147.44) 197.48,147.62 197.84,147.98 arc(198.07,148.13) 198.34,148.18 200.32,148.18 J2.170
DDR1_DQ22: length 61.5
  TOP w0.16: U1.F46 v1(154.97,129.15)
  ART10 w0.089: 154.91,135.15 155.38,134.68 155.38,129.55 v1(154.97,129.15)
  ART10 w0.168: 154.91,135.15 154.91,136.73 160.87,142.68 175.05,142.68 176.33,141.4 180.72,141.4 183.18,143.86 187.84,143.86 188,143.69 188,143.45 188.17,143.28 188.59,143.28 188.76,143.45 188.76,143.69 188.93,143.86 189.35,143.86 189.51,143.69 189.51,142.81 189.68,142.65 190.1,142.65 190.27,142.81 190.27,143.69 190.43,143.86 190.85,143.86 191.02,143.69 191.02,142.81 191.19,142.65 191.61,142.65 191.78,142.81 191.78,143.69 191.94,143.86 192.36,143.86 192.53,143.69 192.53,142.81 192.7,142.65 193.12,142.65 193.28,142.81 193.28,143.69 193.45,143.86 194.09,143.86 194.68,143.28 196.19,143.28 arc(196.39,143.24) J2.32
DDR1_DQ23: length 62.3
  TOP w0.16: U1.H46 v1(154.97,127.15)
  ART10 w0.089: v1(154.97,127.15) 155.57,127.74 155.57,134.76 155.5,134.83 155.5,135.15
  ART10 w0.168: J2.177 196.53,142.27 arc(196.21,142.34) 195.94,142.52 195.74,142.72 arc(195.47,142.9) 195.15,142.96 194.68,142.96 193.77,142.06 188.93,142.06 188.76,142.23 188.76,142.5 188.59,142.67 188.17,142.67 188,142.5 188,142.23 187.84,142.06 187.42,142.06 187.25,142.23 187.25,143.06 187.08,143.23 186.69,143.23 186.5,143.04 186.5,142.23 186.33,142.06 185.91,142.06 185.74,142.23 185.74,143.06 185.57,143.23 185.18,143.23 184.99,143.04 184.99,142.23 184.82,142.06 182.2,142.06 180.96,140.82 176.09,140.82 174.81,142.1 161.11,142.1 155.5,136.48 155.5,135.15
DDR1_DQ24: length 51.1
  TOP w0.16: U1.H48 v1(157.97,127.15)
  ART10 w0.089: v1(157.97,127.15) 158.38,127.55 158.38,133.43 158.9,133.95 158.9,135.14 158.91,135.15
  ART10 w0.168: 158.91,135.15 161.2,137.45 184.57,137.45 184.74,137.61 184.74,138.52 184.91,138.68 185.33,138.68 185.5,138.52 185.5,137.61 185.66,137.45 186.08,137.45 186.25,137.61 186.25,138.52 186.42,138.68 194.17,138.68 194.68,138.18 196.18,138.18 arc(196.39,138.14) J2.38
DDR1_DQ25: length 48.5
  TOP w0.16: U1.E49 v1(158.97,130.15)
  ART10 w0.089: 159.74,135.15 159.09,134.5 159.09,133.87 158.57,133.35 158.57,130.55 v1(158.97,130.15)
  ART10 w0.168: 159.74,135.15 161.45,136.86 186.66,136.86 186.82,137.03 186.82,137.43 186.99,137.6 187.41,137.6 187.58,137.43 187.58,137.03 187.75,136.86 188.16,136.86 188.33,137.03 188.33,137.89 188.5,138.05 194.02,138.05 194.21,137.87 195.15,137.87 arc(195.47,137.8) 195.74,137.62 195.94,137.42 arc(196.21,137.24) 196.53,137.17 J2.183
DDR1_DQ26: length 46.5
  TOP w0.16: U1.E52 v1(161.97,130.15)
  ART10 w0.089: 167.35,133.37 166.71,133.37 166.4,133.05 162.03,133.05 161.57,132.59 161.57,130.55 v1(161.97,130.15)
  ART10 w0.168: 167.35,133.37 180.27,133.37 180.44,133.2 180.44,132.86 180.61,132.69 181.03,132.69 181.2,132.86 181.2,133.2 181.36,133.37 181.78,133.37 181.97,133.18 181.97,132.2 182.14,132.03 182.55,132.03 182.72,132.2 182.72,133.2 182.89,133.37 183.31,133.37 183.48,133.2 183.48,132.2 183.64,132.03 184.06,132.03 184.23,132.2 184.23,133.2 184.4,133.37 184.82,133.37 184.99,133.2 184.99,132.2 185.15,132.03 185.57,132.03 185.74,132.2 185.74,133.2 185.91,133.37 186.33,133.37 186.49,133.2 186.49,132.2 186.66,132.03 192.89,132.03 193.52,132.66 194.37,132.66 J2.45
DDR1_DQ27: length 47.4
  TOP w0.16: U1.G52 v1(160.97,128.15)
  ART10 w0.089: v1(160.97,128.15) 161.57,128.74 162.13,128.74 162.38,128.99 162.38,131.37 162.75,131.74 166.09,131.74 167.13,132.78
  ART10 w0.168: 167.13,132.78 179.67,132.78 181,131.44 191.15,131.44 191.32,131.27 191.32,130.72 191.49,130.56 191.91,130.56 192.07,130.72 192.07,131.27 192.24,131.44 192.66,131.44 192.83,131.27 192.83,130.72 193,130.56 193.42,130.56 193.58,130.72 193.58,131.27 193.75,131.44 194.21,131.44 194.43,131.22 195.03,131.22 arc(195.36,131.29) 195.63,131.47 195.99,131.83 arc(196.26,132.01) 196.58,132.07 196.89,132.07 arc(197.21,132.01) 197.48,131.83 197.84,131.47 arc(198.15,131.26) 198.51,131.19 200.33,131.19 J2.190
DDR1_DQ28: length 49.6
  TOP w0.16: U1.F48 v1(156.97,129.15)
  ART10 w0.089: v1(156.97,129.15) 157.38,129.55 157.38,133.4 157.88,133.9 157.88,134.45 157.68,134.65 157.68,135.1 157.68,135.1 157.68,135.15
  ART10 w0.168: 157.68,135.15 157.68,135.58 157.68,135.59 160.72,138.62 161.37,138.62 161.54,138.79 161.54,139.3 161.71,139.47 162.13,139.47 162.3,139.3 162.3,138.79 162.46,138.62 183.18,138.62 184.44,139.88 196.19,139.88 arc(196.39,139.84) J2.36
DDR1_DQ29: length 49.8
  TOP w0.16: U1.E48 v1(157.97,129.15)
  ART10 w0.089: 158.27,135.15 158.27,134.47 158.07,134.26 158.07,133.82 157.57,133.32 157.57,129.55 v1(157.97,129.15)
  ART10 w0.168: J2.181 196.53,138.87 arc(196.21,138.94) 195.94,139.12 195.74,139.32 arc(195.47,139.5) 195.15,139.57 194.68,139.57 194.4,139.29 184.69,139.29 183.43,138.03 160.96,138.03 158.27,135.34 158.27,135.15
DDR1_DQ30: length 47.7
  TOP w0.16: U1.F51 v1(160.97,129.15)
  ART10 w0.089: 167.03,133.95 166.32,133.24 161.95,133.24 161.38,132.67 161.38,129.55 v1(160.97,129.15)
  ART10 w0.168: 167.03,133.95 186.99,133.95 187.16,133.79 187.16,132.81 187.32,132.64 187.74,132.64 187.91,132.81 187.91,133.79 188.08,133.95 188.5,133.95 188.67,133.79 188.67,132.81 188.83,132.64 189.25,132.64 189.42,132.81 189.42,133.79 189.59,133.95 190.01,133.95 190.17,133.79 190.17,132.81 190.34,132.64 190.76,132.64 190.93,132.81 190.93,133.79 191.1,133.95 191.52,133.95 191.68,133.79 191.68,132.81 191.85,132.64 192.27,132.64 192.44,132.81 192.44,133.79 192.6,133.95 193.33,133.95 193.76,133.53 194.37,133.53 arc(194.69,133.59) J2.43
DDR1_DQ31: length 50.8
  TOP w0.16: U1.H51 v1(159.97,127.15)
  ART10 w0.089: 167.13,132.19 166.82,132.19 166.47,131.85 166.17,131.55 162.83,131.55 162.57,131.29 162.57,128.91 162.21,128.55 161.7,128.55 161.47,128.33 161.47,127.95 161.17,127.65 160.47,127.65 v1(159.97,127.15)
  ART10 w0.168: 167.13,132.19 179.42,132.19 180.76,130.86 190.36,130.86 191.24,129.97 193.96,129.97 194.4,129.52 195.03,129.52 arc(195.31,129.58) 195.56,129.74 195.94,130.13 arc(196.21,130.31) 196.53,130.37 196.89,130.37 arc(197.21,130.31) 197.48,130.13 197.84,129.77 arc(198.11,129.59) 198.43,129.52 198.79,129.52 arc(199.11,129.59) 199.38,129.77 199.74,130.13 arc(200.01,130.31) 200.33,130.37 200.79,130.37 arc(201.11,130.44) 201.38,130.62 201.57,130.81 arc(201.71,131.01) 201.75,131.24 201.75,131.28 arc(201.71,131.51) 201.57,131.71 J2.188
DDR1_DQ32: length 58.7
  TOP w0.114: 183.01,92.45 183.01,93.25 177.44,98.81 177.44,110.65 170.1,118 166.46,118 166.13,117.66 166.13,117.65 U1.U56
  TOP w0.16: J2.97 194.75,82.98 193.8,82.98 189.55,87.23 189.32,87.23 188.89,86.8 188.66,86.8 188.36,87.1 188.36,87.33 188.8,87.76 188.8,87.99 188.49,88.29 188.27,88.29 187.83,87.85 187.6,87.85 187.3,88.16 187.3,88.38 187.74,88.82 187.74,89.05 187.44,89.35 187.21,89.35 186.77,88.91 186.55,88.91 186.25,89.21 186.25,89.44 186.68,89.88 186.68,90.1 186.38,90.4 186.16,90.4 185.72,89.97 185.49,89.97 185.19,90.27 185.19,90.49 185.63,90.93 185.63,91.16 185.33,91.46 185.1,91.46 184.66,91.02 184.44,91.02 184.13,91.32 184.13,91.55 184.29,91.71 184.29,91.93 183.99,92.24 183.76,92.24 183.61,92.08 183.38,92.08 183.01,92.45
DDR1_DQ33: length 59.4
  TOP w0.089: 183.66,93.11 177.81,98.96 177.81,110.81 170.25,118.37 166.14,118.37 165.92,118.15 164.97,118.15 U1.T55
  TOP w0.16: J2.242 198.42,81.92 arc(198.11,81.98) 197.85,82.16 197.47,82.54 arc(197.21,82.71) 196.91,82.77 196.52,82.77 arc(196.21,82.83) 195.95,83.01 195.73,83.23 arc(195.47,83.4) 195.17,83.46 194.34,83.46 186.8,91 186.8,91.23 187.16,91.59 187.16,91.81 186.85,92.11 186.63,92.11 186.27,91.76 186.05,91.76 185.62,92.18 185.06,92.18 184.29,92.96 183.82,92.96 183.66,93.11
DDR1_DQ34: length 62.3
  TOP w0.089: 175.98,92.54 175.98,93.28 173.85,95.4 173.85,109.36 168.68,114.53 166.34,114.53 166.07,114.25 165.28,114.25 164.99,114.54 164.99,114.74 164.69,115.04 163.87,115.04 U1.Y54
  TOP w0.16: 175.98,92.54 175.98,90.69 177.06,89.61 177.29,89.61 177.69,90.01 177.91,90.01 178.19,89.72 178.19,89.5 177.77,89.08 177.77,88.85 178.06,88.57 178.28,88.57 178.7,88.99 178.93,88.99 179.21,88.71 179.21,88.48 178.79,88.06 178.79,87.83 179.07,87.55 179.3,87.55 179.72,87.97 179.95,87.97 181.32,86.6 182.44,86.6 191.86,77.18 194.48,77.18 194.68,76.98 196.18,76.98 arc(196.39,76.94) J2.104
DDR1_DQ35: length 62.2
  TOP w0.114: 175.26,91.82 175.26,93.47 173.48,95.25 173.48,109.21 168.53,114.16 166.38,114.16 166.25,114.03 165.09,114.03 U1.Y55
  TOP w0.16: 175.26,91.82 175.26,90.35 179.09,86.52 179.31,86.52 179.71,86.92 179.94,86.92 180.22,86.63 180.22,86.41 179.82,86.01 179.82,85.78 180.1,85.5 180.33,85.5 180.71,85.88 182.14,85.88 191.56,76.46 194.48,76.46 194.68,76.66 195.12,76.66 arc(195.43,76.6) 195.69,76.43 195.75,76.37 arc(196.01,76.19) 196.31,76.13 198.38,76.13 arc(198.59,76.09) J2.249
DDR1_DQ36: length 61.5
  TOP w0.114: 184.92,94.36 183.43,94.36 178.54,99.26 178.54,111.11 170.55,119.09 162.92,119.09 U1.T53
  TOP w0.16: J2.95 194.96,84.88 193.1,86.74 193.1,86.97 193.55,87.42 193.55,87.65 193.25,87.95 193.03,87.95 192.58,87.5 192.35,87.5 192.05,87.81 192.05,88.03 192.5,88.48 192.5,88.7 192.2,89.01 191.97,89.01 191.52,88.56 191.3,88.56 191,88.86 191,89.09 191.44,89.53 191.44,89.76 191.14,90.06 190.91,90.06 190.47,89.62 190.24,89.62 189.94,89.92 189.94,90.14 190.39,90.59 190.39,90.82 190.08,91.12 189.86,91.12 189.41,90.67 189.19,90.67 188.88,90.97 188.88,91.2 189.33,91.65 189.33,91.87 186.84,94.36 184.92,94.36
DDR1_DQ37: length 58.1
  TOP w0.089: U1.T56 165.55,118.72 170.4,118.72 178.17,110.95 178.17,99.11 183.6,93.68 184.23,93.68
  TOP w0.16: 184.23,93.68 184.59,93.68 185.36,92.9 185.78,92.9 186.1,93.22 186.39,93.22 186.71,92.9 187.26,92.9 187.94,92.23 187.94,90.89 194.27,84.55 194.27,84.19 194.68,83.78 195.17,83.78 arc(195.47,83.84) 195.73,84.02 195.95,84.24 arc(196.21,84.41) 196.52,84.47 196.91,84.47 arc(197.21,84.41) 197.47,84.24 197.85,83.86 arc(198.11,83.68) 198.42,83.62 J2.240
DDR1_DQ38: length 61.5
  TOP w0.114: U1.W55 164.93,115.65 165.32,115.25 168.98,115.25 174.57,109.66 174.57,95.7 176.46,93.82 177.26,93.82
  TOP w0.16: 177.26,93.82 177.9,93.18 177.9,92.95 177.58,92.63 177.58,92.4 177.86,92.12 178.09,92.12 178.41,92.44 178.64,92.44 178.92,92.16 178.92,91.93 178.6,91.61 178.6,91.38 178.88,91.1 179.11,91.1 179.43,91.42 179.65,91.42 179.94,91.14 179.94,90.91 179.61,90.59 179.61,90.36 179.9,90.08 180.12,90.08 180.45,90.4 180.67,90.4 180.96,90.12 180.96,89.89 180.63,89.57 180.63,89.34 180.92,89.06 181.14,89.06 181.47,89.38 181.69,89.38 181.98,89.1 181.98,88.88 181.65,88.55 181.65,88.33 181.93,88.04 182.16,88.04 182.48,88.37 182.71,88.37 192.19,78.88 194.48,78.88 194.68,78.68 196.18,78.68 arc(196.39,78.64) 196.56,78.53 J2.102
DDR1_DQ39: length 62.2
  TOP w0.089: 176.65,93.21 176.55,93.21 174.21,95.55 174.21,109.51 168.83,114.88 166.24,114.88 166.08,115.04 165.09,115.04 164.89,115.25 162.87,115.25 U1.W53
  TOP w0.16: J2.247 196.47,77.67 arc(196.17,77.73) 195.91,77.91 195.69,78.13 arc(195.43,78.3) 195.12,78.36 194.68,78.36 194.48,78.16 191.9,78.16 182.74,87.32 181.64,87.32 177.84,91.12 177.61,91.12 177.21,90.71 176.98,90.71 176.7,90.99 176.7,91.22 177.11,91.63 177.11,91.85 176.86,92.1 176.86,93 176.65,93.21
DDR1_DQ40: length 65.2
  TOP w0.114: U1.AB56 165.5,112.62 167.55,112.62 171.7,108.47 171.7,90.3 178.63,83.37 178.63,82.62
  TOP w0.16: 178.63,82.62 186.4,74.84 186.63,74.84 187.55,75.76 187.78,75.76 188.06,75.48 188.06,75.25 187.14,74.33 187.14,74.11 187.42,73.82 187.65,73.82 188.57,74.74 188.79,74.74 189.08,74.46 189.08,74.23 188.16,73.31 188.16,73.09 188.44,72.8 188.67,72.8 189.59,73.72 189.81,73.72 190.48,73.06 194.48,73.06 194.68,73.26 196.18,73.26 arc(196.39,73.3) 196.56,73.42 J2.108
DDR1_DQ41: length 67.1
  TOP w0.089: 179.14,83.13 179.14,83.39 172.07,90.45 172.07,108.62 167.7,112.99 165.8,112.99 165.75,113.04 165.08,113.04 U1.AA55
  TOP w0.16: 179.14,83.13 184.35,77.91 184.58,77.91 184.8,78.14 185.03,78.14 185.31,77.86 185.31,77.63 185.09,77.4 185.09,77.18 185.37,76.89 185.6,76.89 186.52,77.82 186.75,77.82 187.03,77.54 187.03,77.31 186.11,76.39 186.11,76.16 186.39,75.88 186.61,75.88 187.54,76.8 187.77,76.8 190.79,73.78 194.48,73.78 194.68,73.58 195.17,73.58 arc(195.47,73.64) 195.73,73.82 195.95,74.04 arc(196.21,74.21) 196.52,74.27 196.73,74.27 arc(197.04,74.21) 197.3,74.04 J2.253
DDR1_DQ42: length 68.6
  TOP w0.114: 178.12,75.59 178.12,76.36 167.74,86.74 167.74,106.93 165.64,109.03 164.09,109.03 U1.AE54
  TOP w0.16: 178.12,75.59 178.12,74.19 185.48,66.83 186.31,66.83 186.47,66.67 186.47,66.2 186.63,66.04 187.03,66.04 187.19,66.2 187.19,66.67 187.35,66.83 187.75,66.83 187.91,66.67 187.91,66.2 188.07,66.04 188.47,66.04 188.63,66.2 188.63,66.67 188.79,66.83 189.19,66.83 189.35,66.67 189.35,66.2 189.51,66.04 189.91,66.04 190.07,66.2 190.07,66.67 190.23,66.83 190.63,66.83 190.79,66.67 190.79,66.2 190.95,66.04 191.35,66.04 191.51,66.2 191.51,66.67 191.67,66.83 192.07,66.83 192.23,66.67 192.23,66.2 192.39,66.04 192.79,66.04 192.95,66.2 192.95,66.67 193.11,66.83 194.32,66.83 J2.115
DDR1_DQ43: length 68.1
  TOP w0.089: 178.63,76.1 178.63,76.37 168.11,86.89 168.11,107.08 165.94,109.25 164.87,109.25 U1.AE55
  TOP w0.16: J2.260 198.42,66.62 arc(198.11,66.68) 197.85,66.86 197.47,67.24 arc(197.21,67.41) 196.91,67.47 196.52,67.47 arc(196.21,67.53) 195.95,67.71 195.73,67.93 195.25,68.16 195.25,68.16 194.68,68.16 194.06,67.55 185.78,67.55 179.65,73.68 179.65,73.91 180.12,74.38 180.12,74.61 179.77,74.96 179.54,74.96 179.35,74.77 179.13,74.77 178.84,75.05 178.84,75.27 179.03,75.47 179.03,75.69 178.63,76.1
DDR1_DQ44: length 68.8
  TOP w0.089: U1.AA53 162.87,114.04 164.67,114.04 164.96,113.75 164.96,113.53 165.25,113.25 165.75,113.25 165.85,113.35 167.85,113.35 172.43,108.77 172.43,90.6 179.39,83.64 179.65,83.64
  TOP w0.16: 179.65,83.64 182.28,81 182.51,81 183.15,81.65 183.38,81.65 183.66,81.37 183.66,81.14 183.01,80.5 183.01,80.27 183.3,79.99 183.52,79.99 184.45,80.91 184.68,80.91 184.96,80.63 184.96,80.4 184.03,79.48 184.03,79.25 184.32,78.97 184.54,78.97 185.47,79.89 185.7,79.89 185.98,79.61 185.98,79.38 185.51,78.91 185.51,78.68 185.79,78.4 186.01,78.4 186.49,78.87 186.71,78.87 190.83,74.76 194.48,74.76 194.68,74.96 196.18,74.96 arc(196.39,75) 196.56,75.12 J2.106
DDR1_DQ45: length 66
  TOP w0.114: 180.15,84.15 179.4,84.15 172.8,90.75 172.8,108.92 168,113.72 165.54,113.72 U1.AA56
  TOP w0.16: 180.15,84.15 180.41,84.15 180.94,84.68 181.17,84.68 181.45,84.39 181.45,84.17 180.92,83.64 180.92,83.41 181.21,83.13 181.43,83.13 182.34,84.04 182.57,84.04 182.85,83.76 182.85,83.53 181.94,82.62 181.94,82.4 182.23,82.11 182.45,82.11 183.36,83.02 183.59,83.02 191.12,75.48 194.48,75.48 194.68,75.28 195.17,75.28 arc(195.47,75.34) 195.73,75.52 195.79,75.58 arc(196.05,75.75) 196.36,75.81 196.89,75.81 arc(197.2,75.75) 197.46,75.58 J2.251
DDR1_DQ46: length 67.8
  TOP w0.114: 179.65,77.12 178.91,77.12 168.83,87.19 168.83,107.38 166.83,109.39 166.83,109.68 166.25,110.26 164.86,110.26 U1.AD55
  TOP w0.16: J2.113 194.96,69.17 194.77,68.99 187.78,68.99 187.19,69.57 186.97,69.57 186.49,69.1 186.27,69.1 185.98,69.38 185.98,69.61 186.46,70.08 186.46,70.31 186.17,70.59 185.95,70.59 185.48,70.12 185.25,70.12 184.97,70.4 184.97,70.63 185.44,71.1 185.44,71.32 185.16,71.61 184.93,71.61 184.46,71.13 184.23,71.13 183.95,71.42 183.95,71.64 184.42,72.12 184.42,72.34 184.14,72.63 183.91,72.63 183.44,72.15 183.21,72.15 182.93,72.44 182.93,72.66 183.4,73.14 183.4,73.36 183.12,73.65 182.89,73.65 182.42,73.17 182.19,73.17 181.91,73.45 181.91,73.68 182.38,74.15 182.38,74.38 179.65,77.12
DDR1_DQ47: length 69.3
  TOP w0.089: U1.AD53 163.08,110.04 166.06,110.04 166.52,109.58 166.52,109.17 168.47,107.23 168.47,87.04 178.9,76.61 179.14,76.61
  TOP w0.16: 179.14,76.61 181.31,74.43 181.31,74.21 180.84,73.73 180.84,73.51 186.08,68.27 194.15,68.27 194.36,68.48 195.17,68.48 arc(195.47,68.54) 195.73,68.72 195.95,68.94 arc(196.21,69.11) 196.52,69.17 196.91,69.17 arc(197.21,69.11) 197.47,68.94 197.85,68.56 arc(198.11,68.38) 198.42,68.32 J2.258
DDR1_DQ48: length 85.1
  TOP w0.16: U1.U52 v1(161.97,117.15)
  ART10 w0.089: 167.98,118.73 167.76,118.5 165.27,118.5 164.31,117.55 162.38,117.55 v1(161.97,117.15)
  ART10 w0.168: J2.119 194.72,64.31 193.06,64.31 185.96,71.42 185.96,72.81 183.46,75.31 183.46,75.55 184.05,76.14 184.05,76.37 183.76,76.67 183.52,76.67 182.93,76.08 182.69,76.08 182.4,76.38 182.4,76.61 182.99,77.2 182.99,77.44 182.69,77.74 182.45,77.74 181.86,77.15 181.62,77.15 181.33,77.44 181.33,77.68 181.92,78.27 181.92,78.51 181.62,78.8 181.38,78.8 180.79,78.21 180.56,78.21 180.26,78.51 180.26,78.75 180.85,79.34 180.85,79.57 180.55,79.87 180.32,79.87 179.73,79.28 179.49,79.28 179.19,79.58 179.19,79.81 179.78,80.4 179.78,80.64 179.08,81.34 179.08,96.36 178.67,96.77 178.67,112.56 172.51,118.73 167.98,118.73
DDR1_DQ49: length 87.5
  TOP w0.16: U1.T49 v1(158.97,118.15)
  ART10 w0.089: 167.98,119.31 167.42,118.76 165.14,118.76 164.12,117.74 159.38,117.74 v1(158.97,118.15)
  ART10 w0.168: 167.98,119.31 172.75,119.31 179.26,112.81 179.26,97.02 179.67,96.61 179.67,81.59 185.18,76.08 185.18,75.85 184.59,75.25 184.59,75.02 184.88,74.72 185.12,74.72 185.43,75.03 185.67,75.03 185.97,74.74 185.97,74.5 185.65,74.19 185.65,73.95 186.54,73.06 186.54,71.66 193.3,64.9 194.05,64.9 194.19,64.76 194.97,64.76 arc(195.23,64.71) 195.45,64.57 195.85,64.16 arc(196.13,63.98) 196.45,63.92 197.05,63.92 arc(197.37,63.85) 197.64,63.67 197.84,63.47 arc(198.11,63.29) 198.43,63.22 J2.264
DDR1_DQ50: length 87.1
  TOP w0.16: U1.Y52 v1(160.97,114.15)
  ART10 w0.089: v1(160.97,114.15) 161.35,113.77 162.13,113.77 162.53,114.17 165.96,114.17 166.44,114.65 166.65,114.65
  ART10 w0.168: 166.65,114.65 170.41,114.65 174.59,110.47 174.59,95.08 175,94.67 175,75.23 184.82,65.42 185.05,65.42 185.49,65.86 185.73,65.86 186.03,65.56 186.03,65.32 185.59,64.88 185.59,64.65 185.88,64.35 186.12,64.35 186.56,64.79 186.8,64.79 187.09,64.49 187.09,64.26 186.65,63.82 186.65,63.58 186.95,63.28 187.19,63.28 187.63,63.72 187.87,63.72 188.16,63.43 188.16,63.19 187.72,62.75 187.72,62.51 188.02,62.21 188.26,62.21 188.7,62.65 188.93,62.65 189.23,62.36 189.23,62.12 188.79,61.68 188.79,61.44 189.09,61.15 189.32,61.15 189.76,61.59 190,61.59 193.17,58.41 194.54,58.41 194.68,58.28 196.18,58.28 arc(196.39,58.24) J2.126
DDR1_DQ51: length 88.7
  TOP w0.16: U1.Y50 v1(158.97,114.15)
  ART10 w0.089: v1(158.97,114.15) 159.6,113.52 162.24,113.52 162.64,113.92 166.07,113.92 166.2,114.06 166.65,114.06
  ART10 w0.168: 166.65,114.06 170.17,114.06 174.01,110.23 174.01,94.84 174.42,94.43 174.42,74.88 189.16,60.14 189.4,60.14 189.89,60.62 190.12,60.62 190.42,60.33 190.42,60.09 189.93,59.6 189.93,59.37 190.23,59.07 190.47,59.07 190.96,59.56 191.19,59.56 191.49,59.26 191.49,59.02 191,58.54 191,58.3 191.3,58 191.54,58 192.02,58.49 192.26,58.49 192.92,57.83 194.54,57.83 194.68,57.97 195.18,57.97 arc(195.5,57.9) 195.77,57.72 195.82,57.67 arc(196.09,57.49) 196.41,57.43 198.51,57.43 arc(198.6,57.41) 198.67,57.36 J2.271
DDR1_DQ52: length 85.9
  TOP w0.16: U1.T51 v1(160.97,118.15)
  ART10 w0.089: v1(160.97,118.15) 161.57,118.74 164.32,118.74 164.84,119.27 166.76,119.27 167.98,120.49
  ART10 w0.168: 167.98,120.49 173.24,120.49 180.43,113.29 180.43,97.5 180.84,97.09 180.84,82.08 187.72,75.21 189.53,73.39 189.53,73.16 188.27,71.89 188.27,71.65 188.56,71.36 188.8,71.36 190.06,72.62 190.3,72.62 190.6,72.33 190.6,72.09 189.33,70.82 189.33,70.59 189.63,70.29 189.87,70.29 191.13,71.55 191.37,71.55 191.67,71.26 191.67,71.02 190.96,70.31 190.96,70.08 194.75,66.29 arc(194.91,66.05) J2.117
